# Altium PCB Motor-42 21.04.33.PcbDoc
Units mm, origin at the board's own origin, x right, y up, seen from the top; angles counter-clockwise.
Board outline 41.2 x 41.2 mm, 4 copper layers (Top1, Signal2, Gnd3, Bottom4), stack 0.778 mm thick; 81 components, 66 nets, 263 pads, 155 vias.
Unrouted connection lines stored in the file: 54.
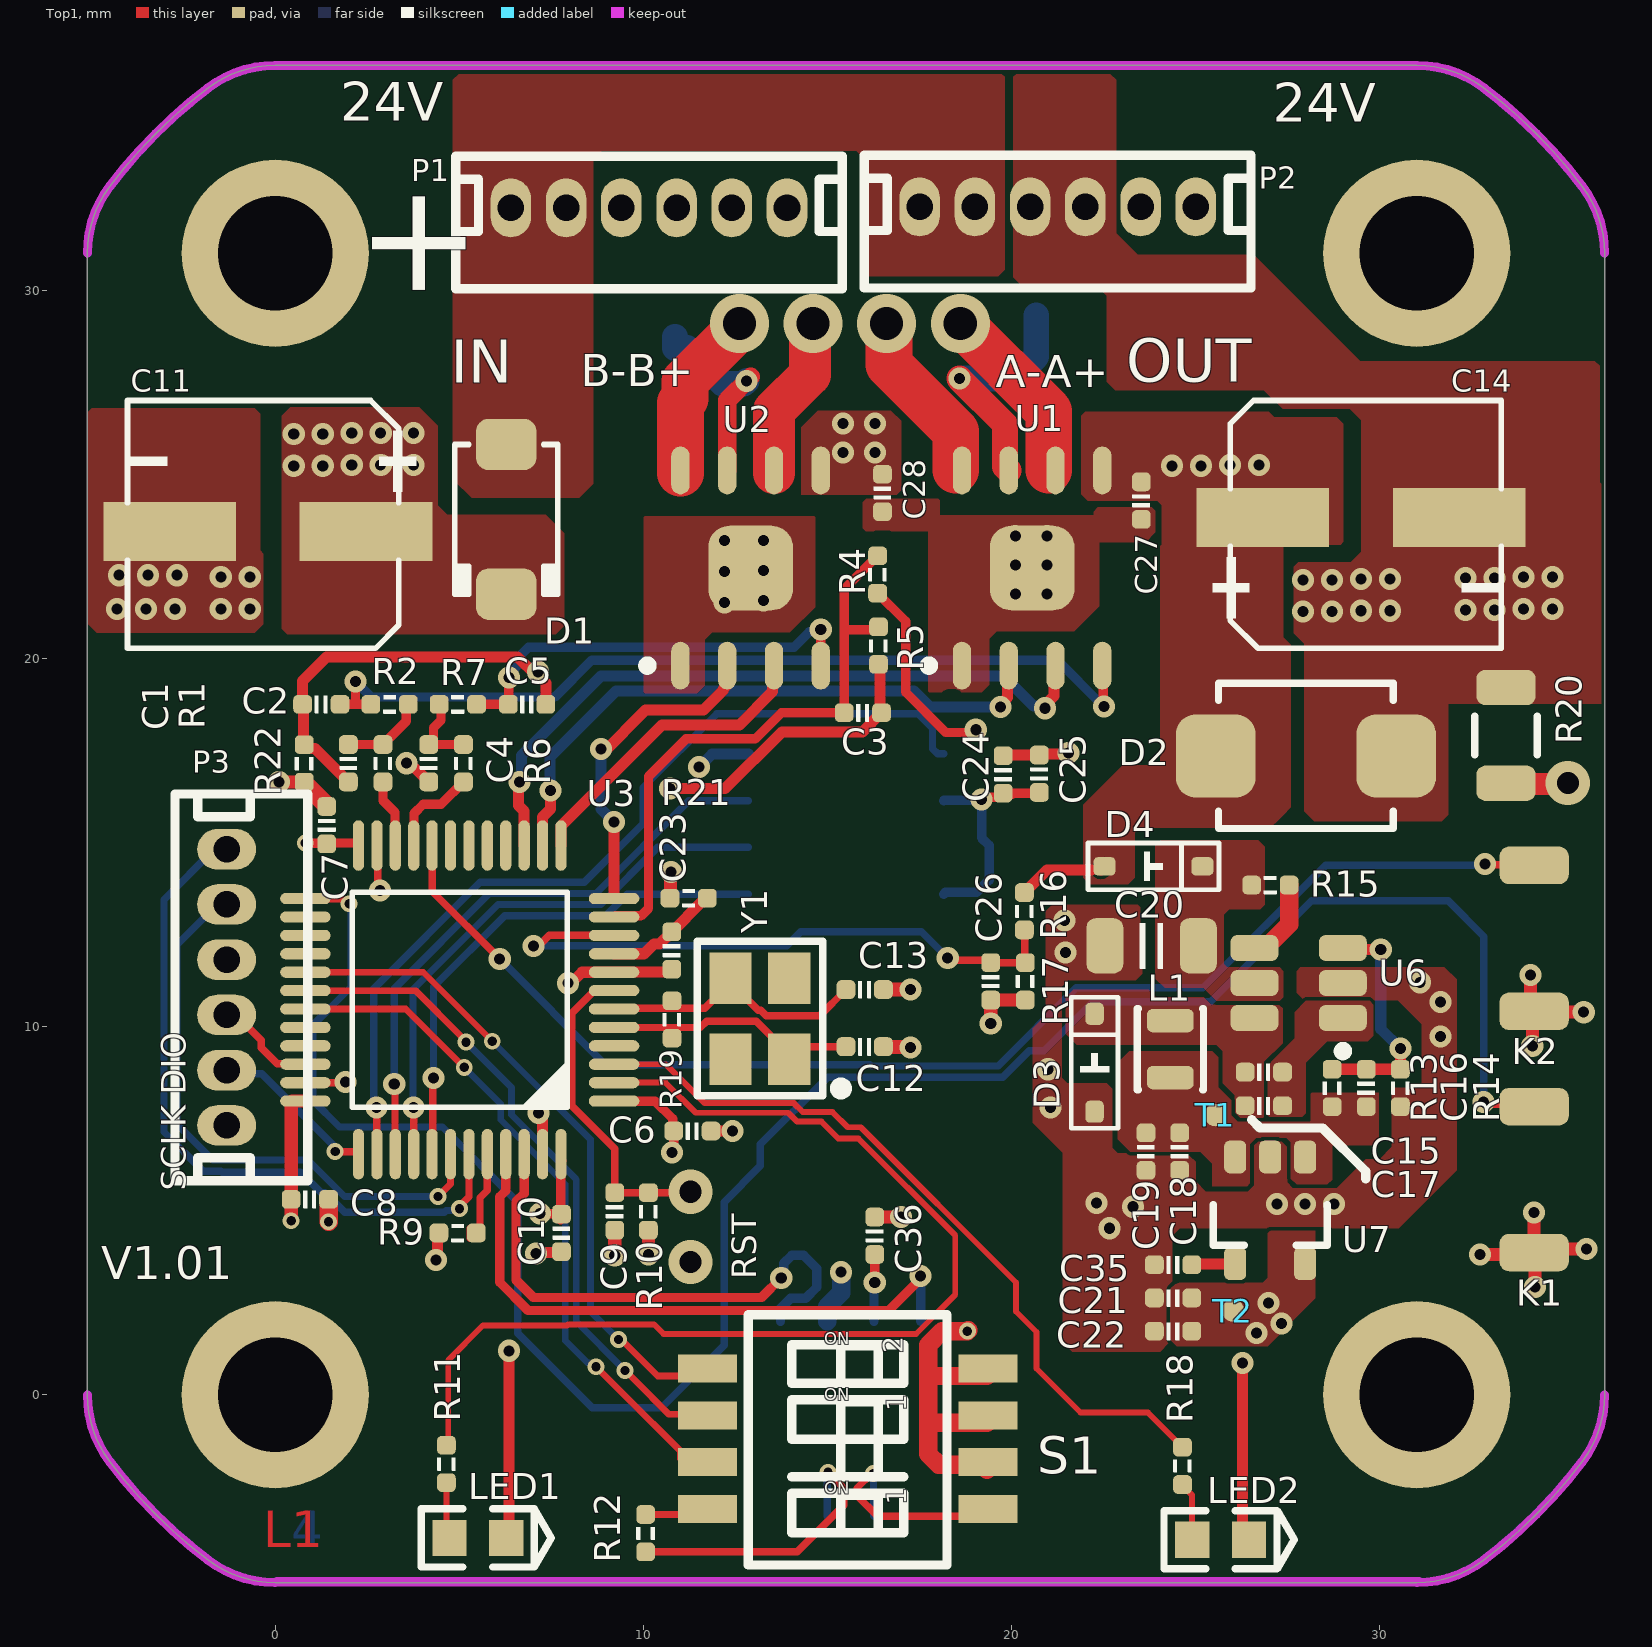
[diagram p0: Top1 view]
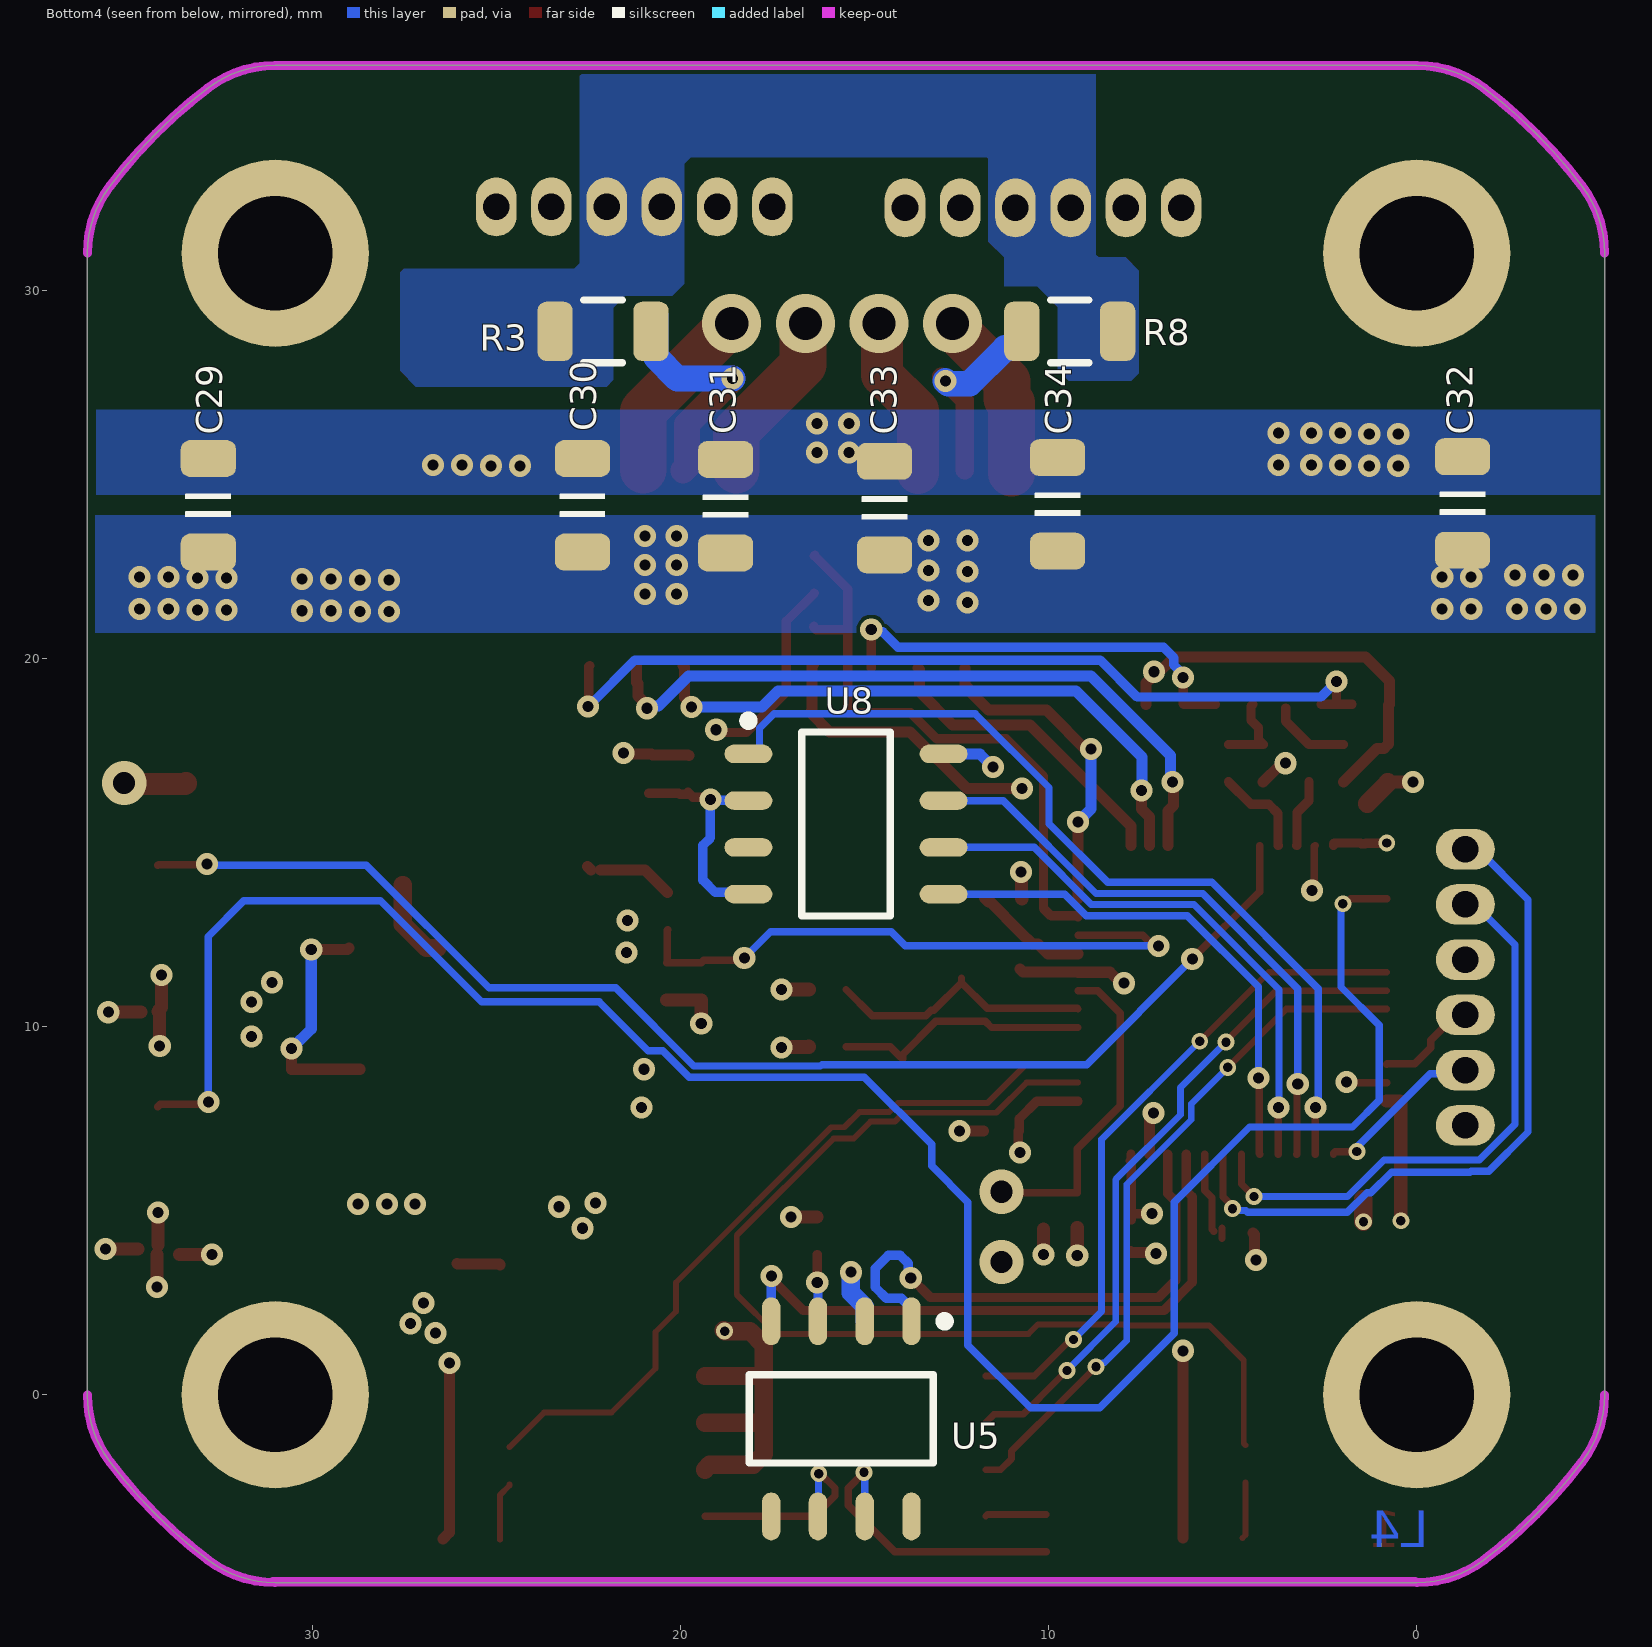
[diagram p1: Bottom4 view, seen from below]
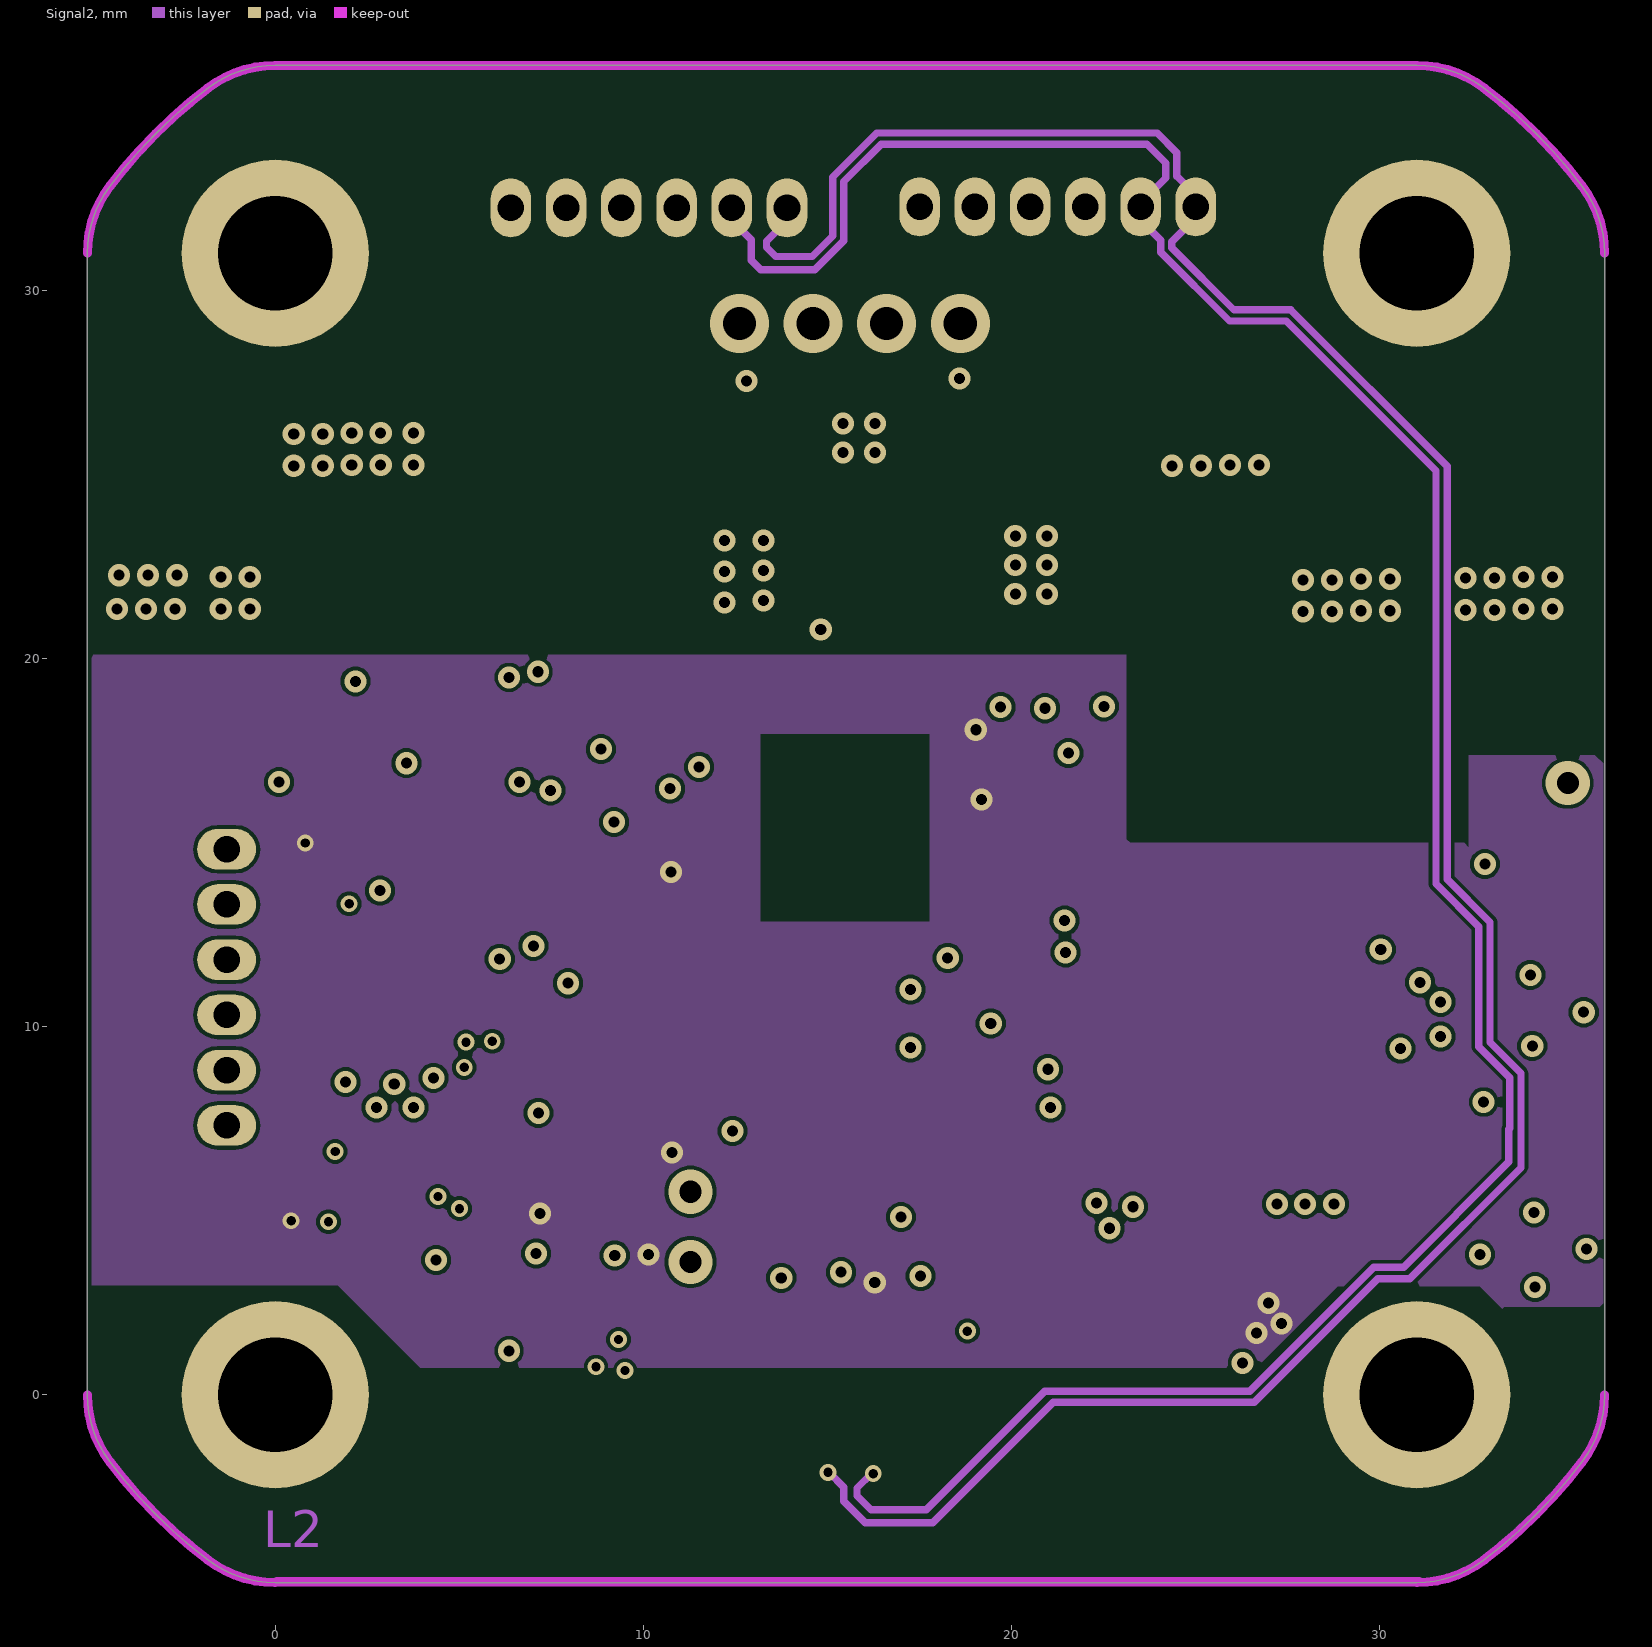
[diagram p2: Signal2]
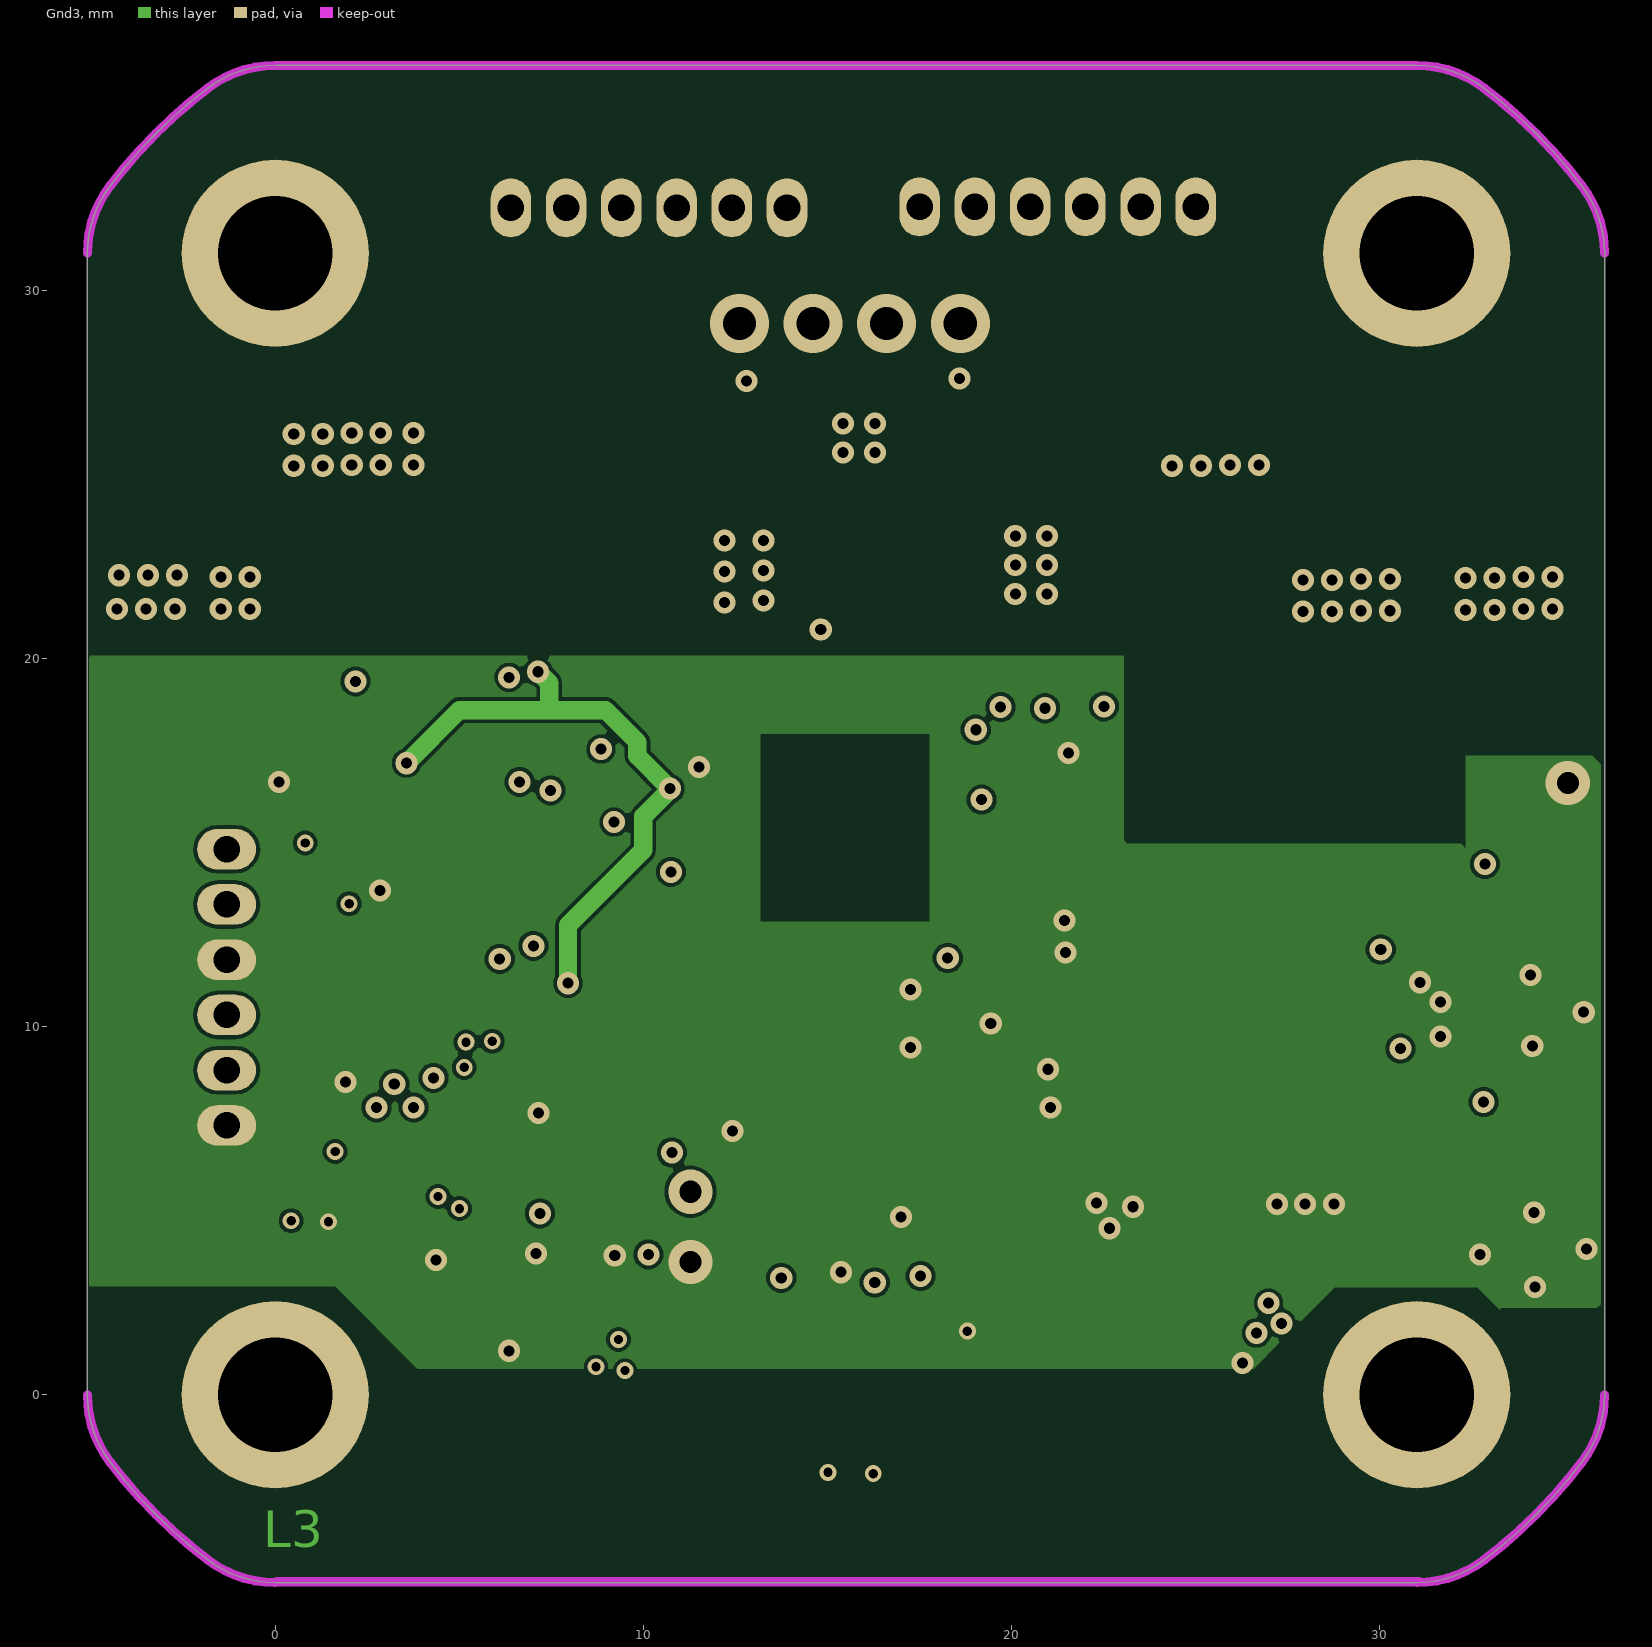
[diagram p3: Gnd3]
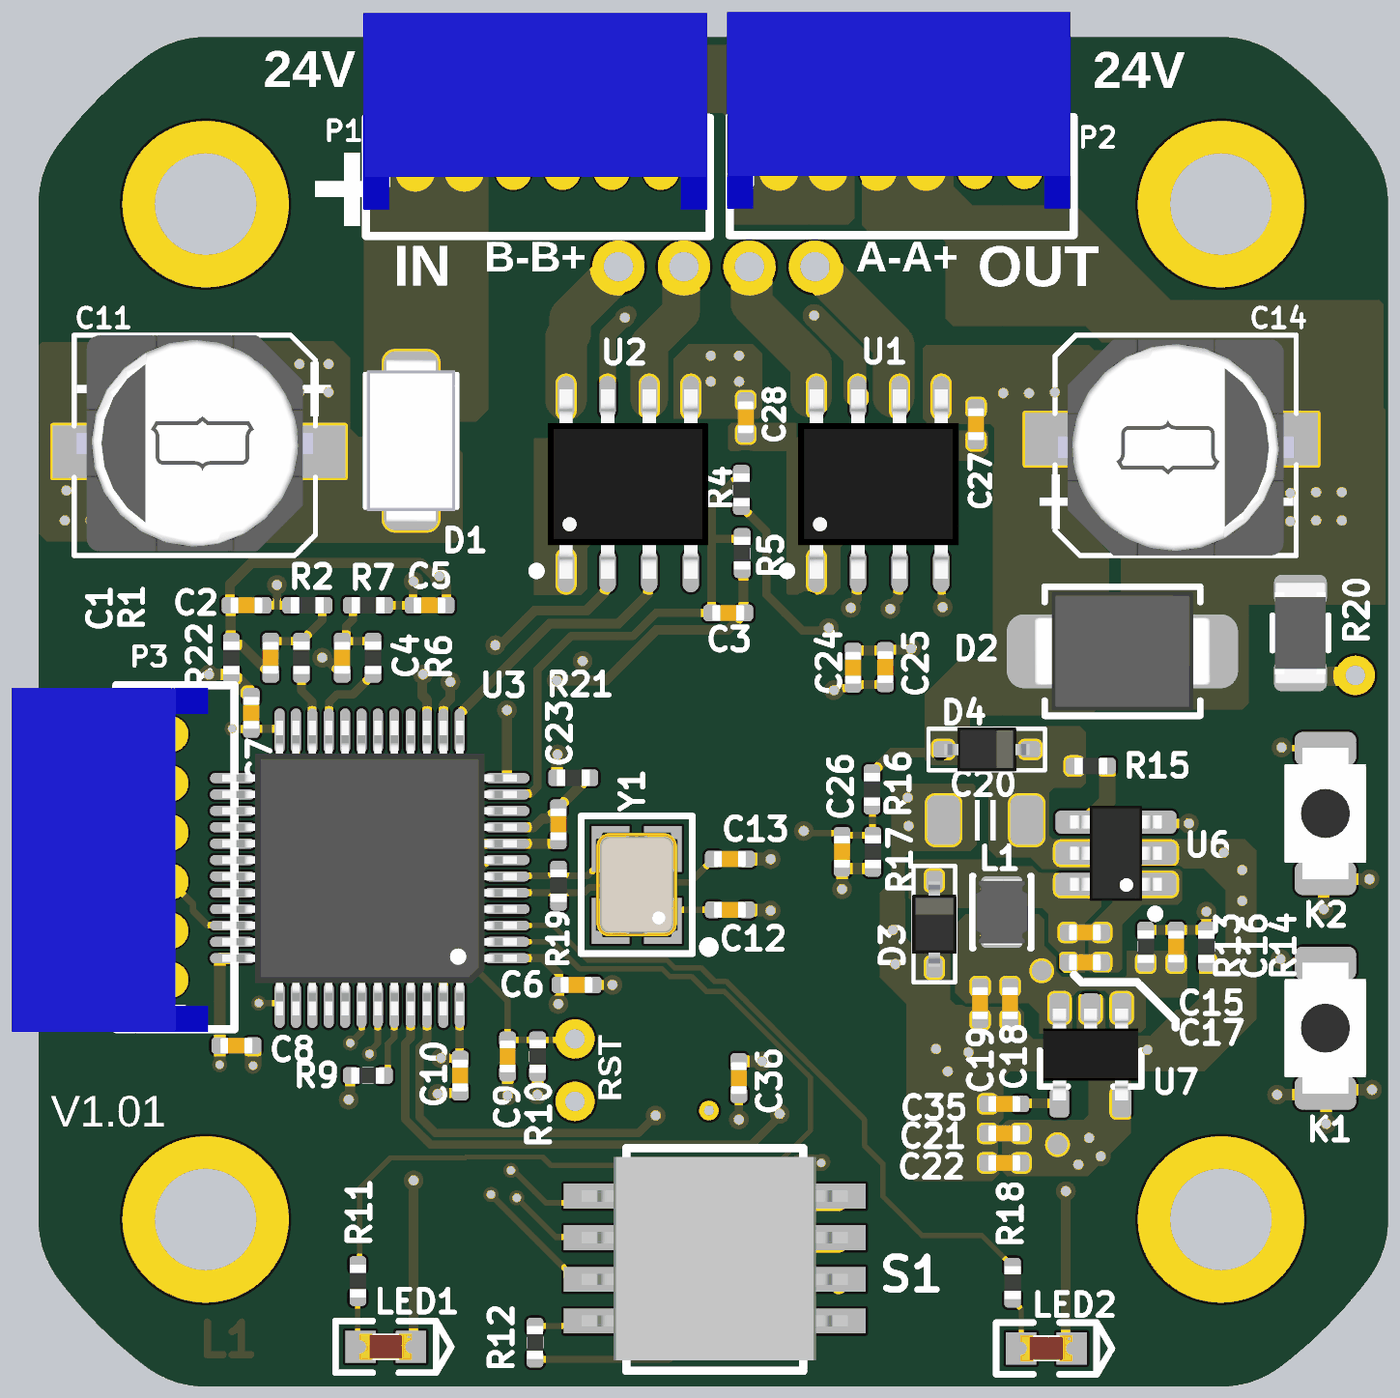
[diagram p4: 3D render of the assembled board from above, using the file's embedded part models]
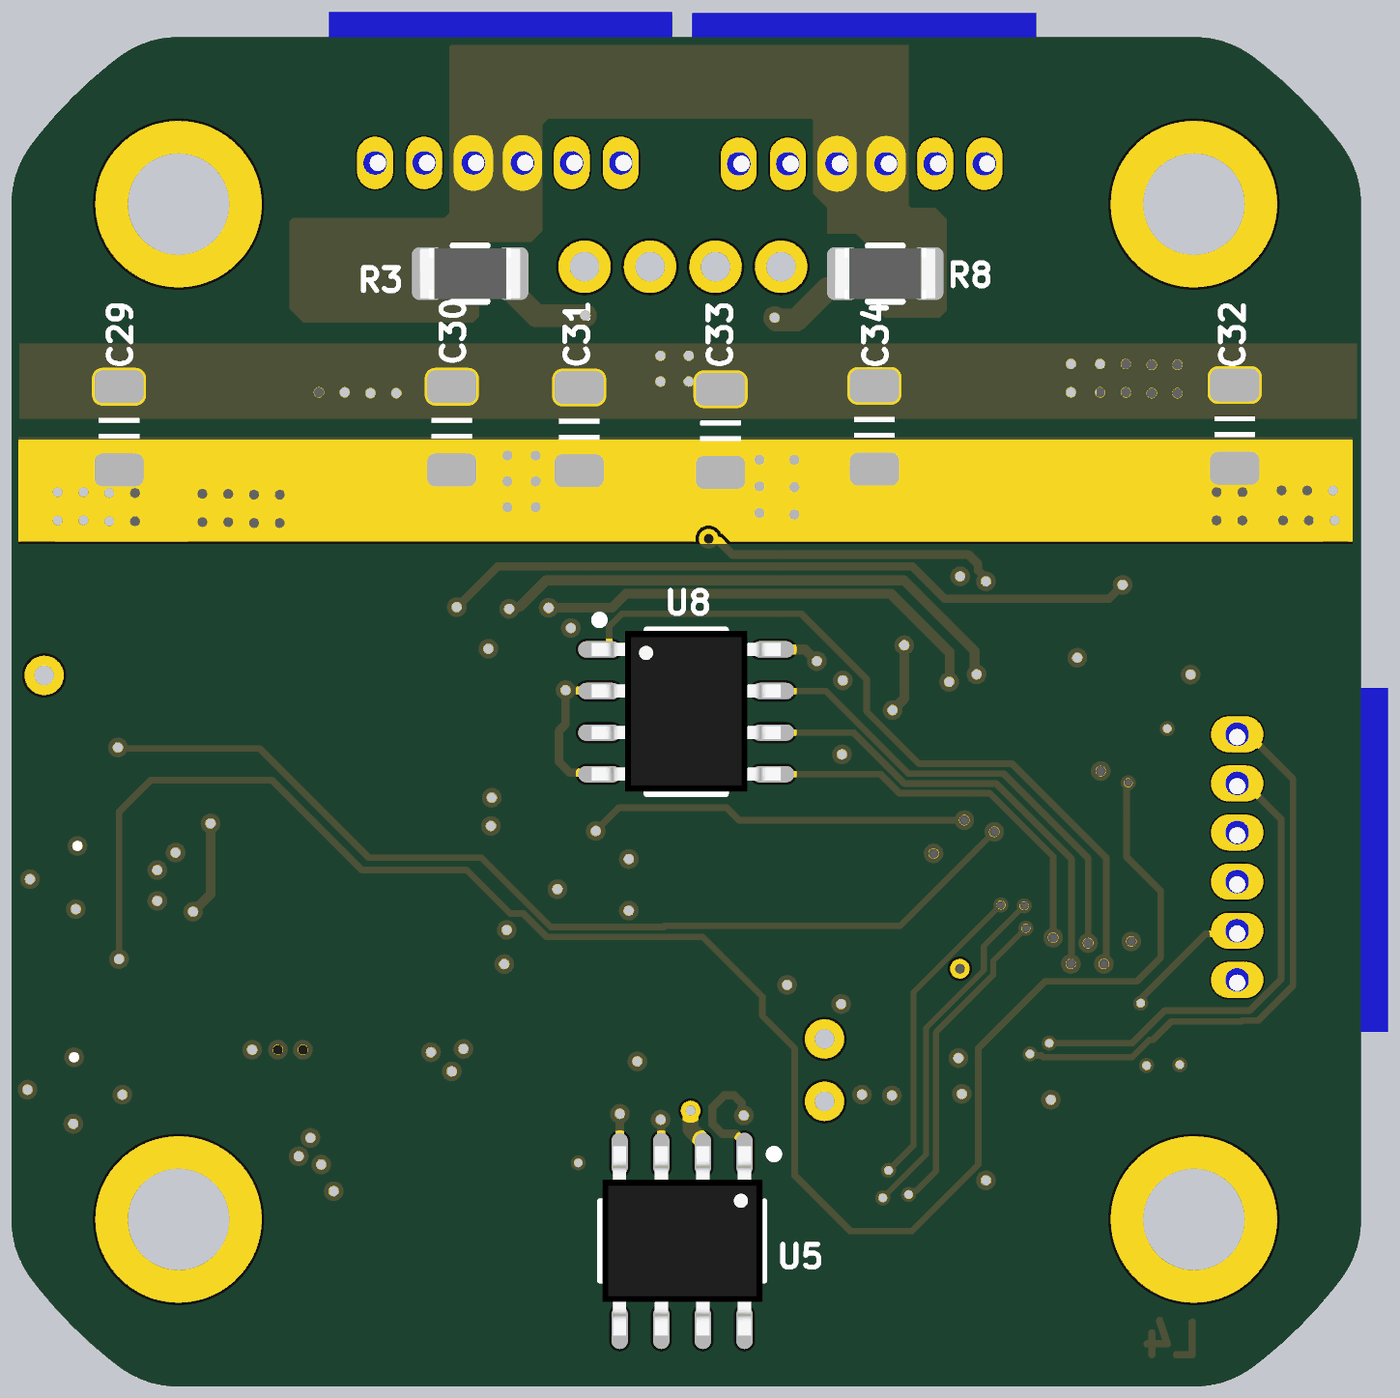
[diagram p5: 3D render of the assembled board from below, using the file's embedded part models]

## Layer stack, top to bottom
Top Solder: solder mask 0.0102, Solder Resist, Dk 3.5
Top1: signal copper 0.0356
Dielectric1: core 0.254, FR-4, Dk 4.2
Signal2: signal copper 0.036
Dielectric2: core 0.254, Dk 4.2
Gnd3: signal copper 0.036
Dielectric3: prepreg 0.127, Dk 4.2
Bottom4: signal copper 0.0356
Bottom Solder: solder mask 0.0102, Solder Resist, Dk 3.5

## Board outline
-4.493,-1.816 cw(c-2.1,-0.006) -5.1,-0.006 -5.1,23 -5.1,31.006 cw(c-2.1,31.006) -4.493,32.816 cw(c6.5,24.5) -1.816,35.493 cw(c-0.006,33.1) -0.006,36.1 31.006,36.1 cw(c31.006,33.1) 32.816,35.493 cw(c24.5,24.5) 35.493,32.816 cw(c33.1,31.006) 36.1,31.006 36.1,-0.006 cw(c33.1,-0.006) 35.493,-1.816 cw(c24.5,6.5) 32.816,-4.493 cw(c31.006,-2.1) 31.006,-5.1 -0.006,-5.1 cw(c-0.006,-2.1) -1.816,-4.493 cw(c6.5,6.5)

## Design rules (kind name [scope] priority, off if disabled: settings)
Clearance [All] p1: gap=0.102 ignorepadtopadclearanceinfootprint=FALSE except(0: Arc-Hole Track-Hole SMDPad-Hole THPad-Hole Via-Hole Fill-Hole Poly-Hole Region-Hole Text-Hole)
ComponentClearance [All] p1: gap=0 collisioncheckmode=3 verticalgap=0 showdistances=FALSE
DiffPairsRouting [All] p1: maxlimit=0.229 minlimit=0.229 mostfreqgap=0.229 toplayer_minwidth=0.381 toplayer_maxwidth=0.381 toplayer_prefwidth=0.381 midlayer1_minwidth=0.381 midlayer1_maxwidth=0.381 midlayer1_prefwidth=0.381 midlayer2_minwidth=0.381 midlayer2_maxwidth=0.381 midlayer2_prefwidth=0.381 bottomlayer_minwidth=0.381 bottomlayer_maxwidth=0.381 bottomlayer_prefwidth=0.381 maxuncoupledlength=12.7
FanoutControl Fanout_BGA [All] p1: bgadir=Out bgaviamode=Centered fanoutstyle=Auto fanoutdirection=Alternating viagrid=0.025 // Fanout_BGA (Default Rule)
HoleSize [All] p1: absolutevalues=TRUE maxlimit=254 minlimit=0.203 maxpercent=80.000 minpercent=20.000
MinimumSolderMaskSliver [All] p1 off: minsoldermaskwidth=0.051
PlaneClearance [All] p1: clearance=0.203
PlaneConnect [All] p1: planeconnectstyle=Direct reliefexpansion=0.508 reliefentries=4 reliefconductorwidth=0.254 reliefairgap=0.254
PolygonConnect [All] p1: connectstyle=Direct reliefconductorwidth=0.254 reliefentries=4 polygonreliefangle="90 Angle" airgapwidth=0.254
RoomDefinition Port [InComponentClass('Port')] p1 off: confinementstyle=ConfineIn formatcopy=TRUE lockcomponents=FALSE outline -13.335,-36.017 37.465,-36.017 37.465,-10.617 -13.335,-10.617
RoomDefinition MCU [InComponentClass('MCU')] p2 off: confinementstyle=ConfineIn formatcopy=TRUE lockcomponents=FALSE outline -13.233,-36.17 37.567,-36.17 37.567,-10.77 -13.233,-10.77
RoomDefinition Interface [InComponentClass('Interface')] p3 off: confinementstyle=ConfineIn formatcopy=TRUE lockcomponents=FALSE outline -14.453,-36.5 36.347,-36.5 36.347,-11.1 -14.453,-11.1
RoomDefinition Drive [InComponentClass('Drive')] p4 off: confinementstyle=ConfineIn formatcopy=TRUE lockcomponents=FALSE outline -13.005,-36.5 37.795,-36.5 37.795,-11.1 -13.005,-11.1
RoomDefinition Power [InComponentClass('Power')] p5 off: confinementstyle=ConfineIn formatcopy=TRUE lockcomponents=FALSE outline -12.675,-36.144 38.125,-36.144 38.125,-10.744 -12.675,-10.744
RoutingVias [All] p1: holewidth=0.203 width=0.406 viastyle="Through Hole" minholewidth=0.152 minwidth=0.305 maxholewidth=0.711 maxwidth=1.27
SilkToSilkClearance [All] p1: silktosilkclearance=0
SilkToSolderMaskClearance [IsPad] p1: minsilkscreentomaskgap=0 clearancetoexposedcopper=TRUE
SolderMaskExpansion [All] p1: expansion=0.076 istentingtop=FALSE
Width GND [(InNet('AGND') OR InNet('GND'))] p1: maxlimit=1.27 minlimit=0.102 preferedwidth=0.254
Width VCC [(InNet('VDD_SYS_3.3V') OR InNet('VDD_AV_3.3V') OR InNet('VDD_5V') OR InNet('VDD1V2-SYS') OR InNet('VDD1V1-EPHY') OR InNet('VDD-CPUX') OR InNet('VDD-CPUS') OR InNet('VDD-CPUFB') OR InNet('VCC-DRAM'))] p2: maxlimit=1.27 minlimit=0.102 preferedwidth=0.254
Width [All] p3: maxlimit=254 minlimit=0.102 preferedwidth=0.102
21 further rules are at their usual default settings.

## Classes and differential pairs
component class Port: C36 K1 K2 P1 P2 P3 R12 S1 U5
component class MCU: C6 C7 C8 C9 C10 C12 C13 C23 LED1 LED2 R9 R10 R11 R18 R19 R21 R22 U3 Y1
component class Interface: C24 C25 C26 R16 R17 U8
component class Drive: C1 C2 C3 C4 C5 C27 C28 R1 R2 R3 R4 R5 R6 R7 R8 R20 U1 U2
component class Power: C11 C14 C15 C16 C17 C18 C19 C20 C21 C22 C29 C30 C31 C32 C33 C34 C35 D1 D2 D3 D4 L1 R13 R14 R15 T1 T2 U6 U7
